# Allegro board mb1260.brd (continued)
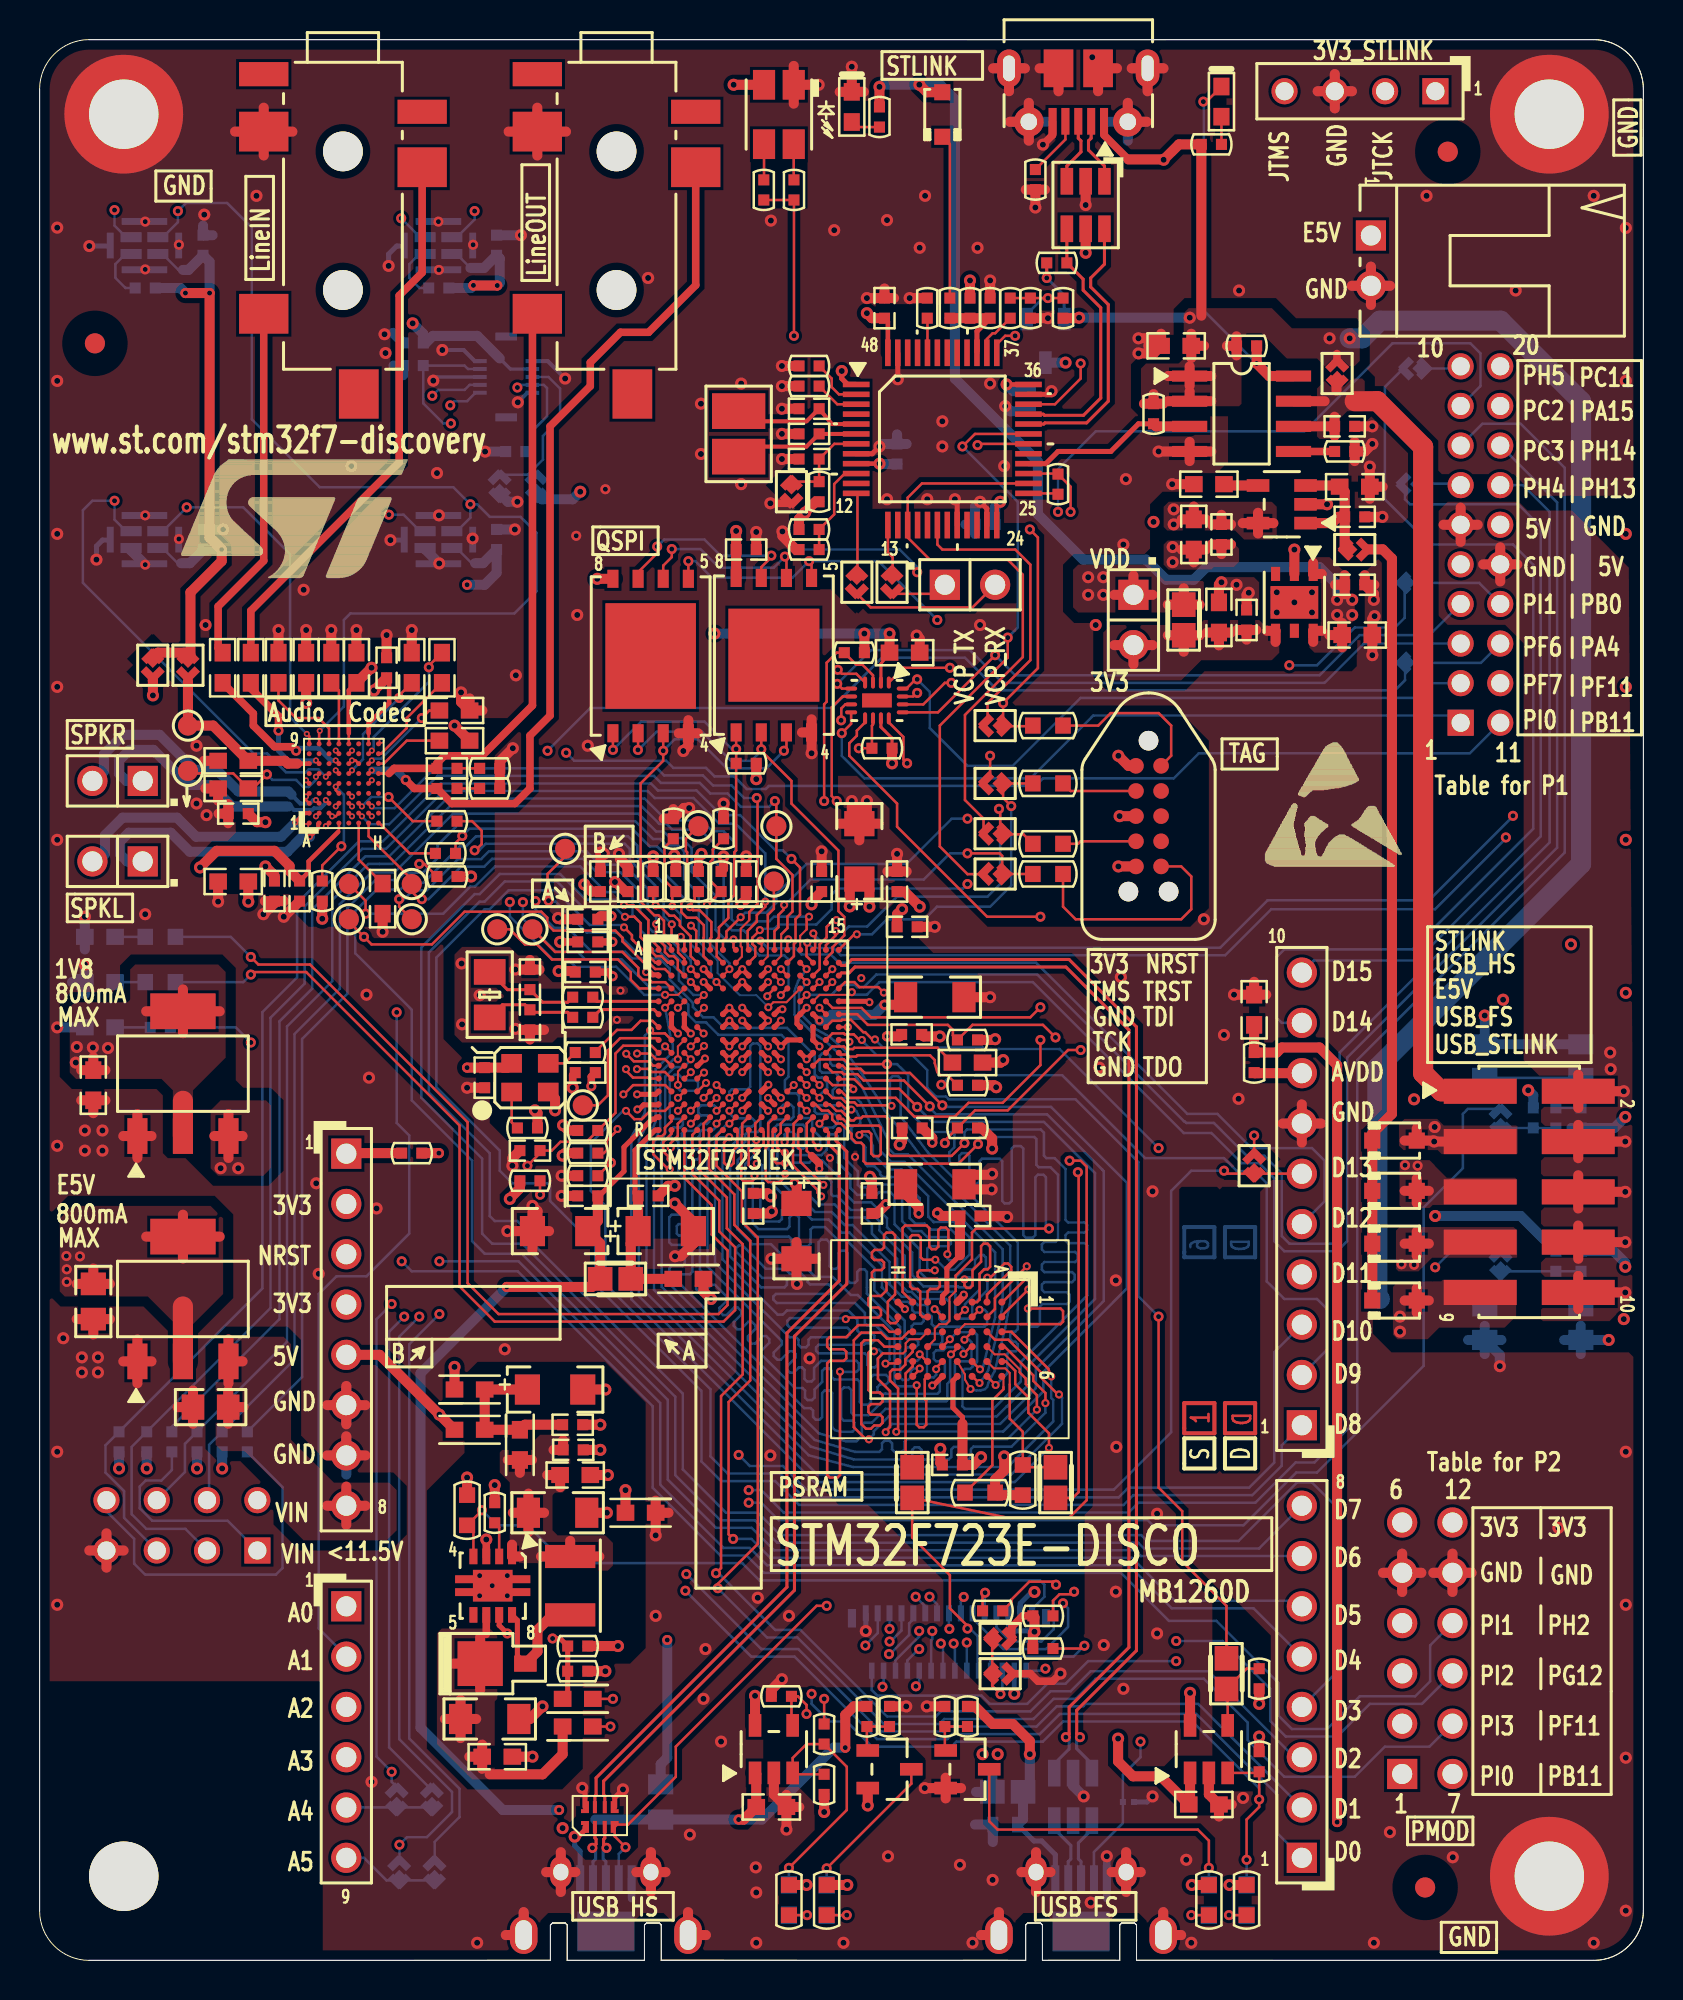
[diagram p0: board, top side]
## Routing (per net, layer and track width the routed paths; a pad name or vN(x,y) marks a point on that pad's centre or on a via; arc(x,y) is an arc through that point) (continued)
STMOD+_UART4_TXD: length 79.6
  TOP w0.127: U8.E12 v1(38.74,48.76)
  BOTTOM w0.127: v1(38.74,48.76) 40,48.76 40.5,49.26 41.17,49.26 41.29,49.15 41.63,49.15 42.26,49.78 50.39,49.78 57.8,42.37 57.84,42.37 57.91,42.29 59.31,42.29 60.96,40.64 61.85,40.64 62.74,39.75 62.74,36.58 63.12,36.2 65.28,36.2 65.66,36.58 65.66,45.85 76.26,56.45 76.26,73.15 74.91,74.5 P1.17
SYS_B_USER: length 76.7
  TOP w0.127: U8.N3 v1(32.24,42.91)
  L4_SIG w0.102: v1(32.24,42.91) 32.6,43.26 33.19,43.26 33.32,43.12 33.32,41.38 34.44,40.26 34.44,35.76 35.81,34.39 35.81,25.15 35.31,24.64 35.31,23.62 v2(35.81,23.11)
  BOTTOM w0.127: SB33.1 72.14,43 71.88,42.75 71.88,40.01 69.9,38.02 69.9,30.02 64.52,24.64 63.47,24.64 60.8,21.97 56.22,21.97 55.96,22.24 37.33,22.24 36.45,23.11 v2(35.81,23.11)
SYS_LD_USER1: length 50.5
  TOP w0.127: v2(10.67,50.67) 11.05,50.29 13.66,50.29 21.62,42.33 21.62,34.2 23.18,32.64 34.29,32.64 34.75,33.1 34.75,35.85 33.95,36.65 33.95,38.14 32.56,39.52 U8.R3
  BOTTOM w0.127: R47.1 9.65,51.69 v2(10.67,50.67)
SYS_LD_USER2: length 50.9
  TOP w0.127: U8.R4 32.97,41.69 32.97,39.73 34.33,38.37 34.33,36.81 35.13,36.01 35.13,32.84 34.54,32.26 22.99,32.26 21.21,34.04 21.21,42.16 13.46,49.91 10.79,49.91 v2(10.67,49.78)
  BOTTOM w0.127: R48.1 10.29,49.4 v2(10.67,49.78)
SYS_STLINK_JTCK: length 17.3
  TOP w0.127: U8.A14 39.71,51.27 40.22,51.78 v1(40.22,51.98) ; R38.2 49.69,56.87 SB12.2 48.53,57 48.53,57.36 48.51,57.38 48.51,58.09 v2(48.45,58.15)
  BOTTOM w0.127: v1(40.22,51.98) 40.64,51.98 40.87,52.21 41.8,52.21 43.31,53.72 47.88,53.72 48.51,54.36 48.51,58.09 v2(48.45,58.15)
SYS_STLINK_JTDO-SWO: length 17.1
  TOP w0.127: U8.A10 37.11,51.97 37.31,52.17 37.31,52.79 37.57,53.05 37.57,53.27 v1(37.6,53.3) ; v2(46.86,55.91) 48.49,55.91 48.62,55.78 48.62,54.88 SB13.2 48.69,54.86 R40.2
  BOTTOM w0.127: v1(37.6,53.3) 37.66,53.3 38.94,54.58 44.65,54.58 45.97,55.91 v2(46.86,55.91)
SYS_STLINK_JTMS: length 16.9
  TOP w0.127: v2(49.07,58.29) 48.66,58.7 SB11.2 48.69,59.44 R32.2 ; v1(41.27,51.82) 41.15,51.82 U8.A15
  BOTTOM w0.127: v1(41.27,51.82) 42.04,51.82 42.8,52.58 44.69,52.58 45.33,53.21 48.01,53.21 49.07,54.28 v2(49.07,58.29)
T_JTCK: length 29.7
  TOP w0.127: SB12.1 47.68,57.66 46.74,58.6 46.74,62.9 49.66,65.82 49.66,69.98 48.9,70.74 44.96,70.74 43.84,71.85 U2.15 43.84,73.87 44.56,74.59 U2.26
T_JTMS: length 19.2
  TOP w0.127: SB11.1 47.68,59.61 48.01,59.94 v2(48.01,60.83) ; U2.27 51.41,75.08 R23.1 52.07,74.42 v2(52.07,73.15)
  L4_SIG w0.102: v2(48.01,60.83) 48.01,64.77 50.8,67.56 50.8,70.87 52.07,72.14 v2(52.07,73.15)
T_NRST: length 15.2
  TOP w0.127: U2.18 45.34,71.5 45.6,71.25 49.28,71.25 50.04,70.48 50.04,65.66 47.88,63.5 47.88,62.56 47.81,62.49 47.81,62.48 SB10.1
T_SWDIO_IN: length 1.5
  TOP w0.127: 51.44,74.04 51.39,74.08 U2.25
T_SWO: length 29.4
  TOP w0.127: v2(48.9,66.8) 48.9,65.79 45.47,62.36 45.47,56.25 46.86,54.86 SB13.1 ; v2(46.61,76.45) 47.24,77.08 U2.31
  BOTTOM w0.127: v2(48.9,66.8) 49.4,67.31 49.4,73.66 v2(46.61,76.45)
TAG_NRST: length 8.2
  TOP w0.127: CN9.10 57.15,60.83 57.15,62.36 56.52,62.99 54.1,62.99 53.47,62.36 R28.1
TAG_SWCLK: length 3.7
  TOP w0.127: R38.1 52.45,56.39 52.58,56.52 55.37,56.52
TAG_SWDIO: length 3.8
  TOP w0.127: R32.1 52.07,59.05 CN9.2
TAG_SWO: length 12
  TOP w0.127: R40.1 51.69,53.21 52.32,52.58 57.66,52.58 58.17,53.09 58.17,54.74 57.66,55.24 CN9.6
USB_OTGFS_CN_N: length 3.3
  BOTTOM w0.155: U22.6 51.25,6.64 52.08,5.8 52.08,5.12 51.95,4.99 CN18.2
USB_OTGFS_CN_P: length 3.3
  BOTTOM w0.155: CN18.3 52.6,4.99 52.47,5.12 52.47,5.93 53.15,6.61 U22.4
USB_OTGFS_ID: length 57.3
  TOP w0.127: U8.D15 40.68,49.4 41.15,49.4 41.4,49.15 42.36,49.15 v1(42.64,48.87)
  L4_SIG w0.102: v1(42.64,48.87) 42.77,48.74 46.96,48.74 48.77,46.94 48.77,46.15 54.74,40.18 54.74,38.48 55.88,37.34 55.88,27.64 56.26,27.26 56.26,23.65 56.92,22.99 56.92,12.37 v2(55.6,11.05)
  BOTTOM w0.127: CN18.4 53.25,5.47 54.71,6.93 U23.1 54.71,9.37 55.6,10.26 v2(55.6,11.05)
USB_OTGFS_N: length 55.4
  TOP w0.155: v2(51.83,11.27) 52,11.44 52,12.79 55.02,15.8 55.02,46.98 51.84,50.16 41.18,50.16 40.88,49.87 40.5,49.87 U8.C15
  BOTTOM w0.155: v2(51.83,11.27) 52,11.11 52,10.67 51.25,9.92 U22.1
USB_OTGFS_OVCR: length 64.1
  TOP w0.127: U14.3 61.54,9.47 R79.1 v2(61.59,8.13) 61.59,7.75 60.96,7.11 v2(60.96,5.08) ; v1(39.59,39.16) 38.43,40.32 38.43,40.92 38.31,41.05 38.31,41.83 U8.R12
  L4_SIG w0.102: v1(39.59,39.16) 39.64,39.16 39.98,38.82 39.98,18.58 40.44,18.12 40.44,14.91 v2(38.99,13.46)
  BOTTOM w0.127: v2(61.59,8.13) 61.59,8.69 58.22,12.07 51.69,12.07 50.67,11.05 46.3,11.05 46.05,10.8 42.04,10.8 40.77,12.07 39.88,12.07 38.99,12.95 v2(38.99,13.46) ; LD10.2 v2(60.96,5.08)
USB_OTGFS_P: length 56
  TOP w0.155: v2(52.54,11.27) 52.38,11.44 52.38,12.63 55.4,15.65 55.4,47.14 51.99,50.55 41.02,50.55 40.72,50.25 40.5,50.25 U8.B15
  BOTTOM w0.155: v2(52.54,11.27) 52.38,11.11 52.38,10.69 53.15,9.92 U22.3
USB_OTGFS_PPWR_EN: length 46
  TOP w0.127: v2(56.52,32.51) 56.52,23.88 57.71,22.68 57.71,20.14 59.94,17.91 R72.1 ; U8.H14 40.04,46.81 40.62,46.81 40.67,46.76 41.12,46.76 41.4,46.48 v1(41.53,46.48)
  BOTTOM w0.127: v2(56.52,32.51) 55.5,33.53 55.5,40.31 52.32,43.48 45.92,43.48 45.78,43.62 45.28,43.62 44.83,44.07 44.83,44.96 44.07,45.72 42.27,45.72 41.66,46.33 41.66,46.35 v1(41.53,46.48)
USB_OTGFS_VBUS: length 73.5
  TOP w0.254: v1(41.91,48.39) 41.87,48.43 U8.E15
  TOP w0.508: R77.2 47.24,12.83 48.13,11.94 49.15,11.94 50.01,11.07 v4(50.01,10.41) ; U14.1 58.11,7.94 C77.1 56.62,9.3 55.22,9.3 54.47,10.05 v4(54.47,11.2)
  L4_SIG w0.508: v4(50.01,10.41) 50.01,10.97 51.31,12.27 52.78,12.27 53.85,11.2 v4(54.47,11.2) 54.69,11.2 55.75,12.27 55.75,27.05 55.37,27.43 55.37,37.08 54.18,38.28 54.18,39.83 49.23,44.78 48.14,44.78 47.19,45.73 47.19,46.58 46.41,47.37 42.29,47.37 41.91,47.75 v1(41.91,48.39)
  BOTTOM w0.254: CN18.1 51.3,5.34 50.61,6.03 50.22,6.03 U24.1
  BOTTOM w0.508: U24.1 49.67,7.13 R99.1 50.01,8.85 v4(50.01,10.41)
USB_OTGHS_CN_N: length 2.8
  TOP w0.155: U15.2 28.05,6.18 28.11,6.12 28.11,5.87 v2(27.92,5.68)
  BOTTOM w0.155: CN19.2 27.95,4.99 28.08,5.12 28.08,5.52 v2(27.92,5.68)
USB_OTGHS_CN_P: length 2.8
  TOP w0.155: U15.3 28.55,6.18 28.49,6.12 28.49,5.83 v2(28.63,5.68)
  BOTTOM w0.155: v2(28.63,5.68) 28.47,5.52 28.47,5.12 28.6,4.99 CN19.3
USB_OTGHS_ID: length 44.7
  TOP w0.127: v2(39.75,17.91) 39.24,17.91 32.13,10.8 32.13,9.27 29.72,6.86 29.16,6.86 U15.4 29.05,6.26 v2(29.59,5.72) ; v1(39.47,38.58) 39.29,38.77 39.29,38.9 38.05,40.14 38.05,41.24 38.08,41.27 38.08,42.25 U8.P12
  L4_SIG w0.102: v1(39.47,38.58) 39.62,38.43 39.62,18.03 v2(39.75,17.91)
  BOTTOM w0.127: v2(29.59,5.72) 29.25,5.37 CN19.4
USB_OTGHS_N: length 39.6
  TOP w0.155: U15.7 28.05,8.3 28.11,8.36 28.11,9.21 37.74,18.85 37.74,31.68 40.39,34.32 40.39,40.69 39.85,41.22 39.85,41.8 U8.R14
USB_OTGHS_OVCR: length 54.5
  TOP w0.127: U8.L13 v1(39.39,44.21) ; v2(39.62,13.21) R78.2
  L4_SIG w0.102: v1(39.39,44.21) 39.75,43.84 39.75,43.43 39.88,43.31 40.04,43.31 40.59,42.75 40.7,42.75 40.85,42.61 41.14,42.61 41.29,42.75 42.1,42.75 42.82,42.04 45.72,42.04 45.97,41.78 48.34,41.78 52.96,37.16 52.96,33.02 53.52,32.46 53.52,18.63 53.52,18.21 51.94,16.64 51.18,16.64 49.78,15.24 48.64,15.24 45.67,12.27 40.56,12.27 v2(39.62,13.21)
USB_OTGHS_P: length 39.6
  TOP w0.155: U8.R15 40.23,41.8 40.23,41.38 40.77,40.84 40.77,34.16 38.13,31.52 38.13,18.69 28.49,9.06 28.49,8.36 28.55,8.3 U15.6
USB_OTGHS_PPWR_EN: length 60.7
  TOP w0.127: U13.4 37.97,11.93 37.97,13.34 38.3,13.34 38.73,12.9 v2(38.73,12.45) ; U8.K12 v1(38.74,44.86)
  L4_SIG w0.102: v1(38.74,44.86) 39.55,44.86 40.01,44.4 41.33,44.4 42.05,43.68 45.86,43.68 46.99,42.55 48.59,42.55 53.72,37.41 53.72,33.4 54.36,32.77 54.36,26.97 54.91,26.42 54.91,17.65 54.58,17.32 53.52,17.32 52.22,16.03 51.46,16.03 49.91,14.48 48.9,14.48 46.02,11.61 39.57,11.61 v2(38.73,12.45)
USB_OTGHS_VBUS: length 39.1
  TOP w0.127: U8.P13 38.75,42.26 38.75,40.88 38.99,40.64
  TOP w0.381: 38.99,40.64 39.38,40.25 v1(39.38,39.98)
  L4_SIG w0.508: v2(31.7,16.18) 33.1,16.18 38.53,21.62 38.53,27.23 37.47,28.3 37.47,34.49 37.91,34.94 37.91,37.91 38.89,38.89 38.89,39.49 v1(39.38,39.98)
  BOTTOM w0.508: v2(31.7,16.18) 31.7,10.24 31.37,9.91 R98.1
USB_RENUMN: length 2.3
  TOP w0.127: U2.38 47.84,81.88 48.13,82.17 48.26,82.17 R7.2
USB_STLK_CN_N: length 3.4
  TOP w0.155: U21.1 53.78,90.62 52.98,91.42 52.98,91.89 53.11,92.02 CN1.2
USB_STLK_CN_P: length 3.4
  TOP w0.155: U21.3 51.88,90.62 52.59,91.33 52.59,91.89 52.46,92.02 CN1.3
USB_STLK_ID: length 3.1
  TOP w0.127: R9.2 51.81,91.96 CN1.4
USB_STLK_N: length 13.9
  TOP w0.155: U21.6 53.78,85.66 53.09,84.96 53.09,84.51 53.98,83.62 53.98,78.74 52.88,77.64 50.77,77.64 50.72,77.59 U2.32
USB_STLK_P: length 13.3
  TOP w0.155: U2.33 50.69,78.08 50.75,78.03 52.72,78.03 53.59,78.9 53.59,83.46 52.7,84.35 52.7,84.9 R10.2 U21.4
VCAP1: length 12.2
  TOP w0.254: U8.M10 v1(37.44,43.56)
  TOP w0.508: C58.2 43.74,38.7 44.4,38.04 v2(44.4,37.72)
  L4_SIG w0.381: v1(37.44,43.56) 37.72,43.56 38.25,43.03 38.25,42.7 38.89,42.05 38.89,42.05 39.2,41.74 40.6,41.74 41.19,41.16 41.62,41.16 42.3,40.48 42.3,40.45
  L4_SIG w0.457: v2(44.4,37.72) 44.4,38.35 42.3,40.45
VCAP2: length 5.3
  TOP w0.254: v1(39.39,47.46) 39.07,47.78 U8.F13
  TOP w0.508: v2(42.67,48.26) 43.36,48.26 C49.2
  BOTTOM w0.508: v2(42.67,48.26) 42.16,47.75 40.01,47.75 39.71,47.46 v1(39.39,47.46)
VCP_RX: length 35.4
  TOP w0.127: SB8.1 41.97,68.33 47.12,68.33 CN6.2 ; v1(40.82,47.13) U8.G15
  L4_SIG w0.102: CN6.2 48.26,67.31 47.57,66.62 47.57,59.13 46.35,57.91 46.35,50.55 45.47,49.66 42.48,49.66 40.82,48 v1(40.82,47.13)
VCP_TX: length 32.5
  TOP w0.127: v1(40.9,46.39) 40.81,46.48 U8.H15 ; CN6.1 45.26,69.01 SB9.1
  L4_SIG w0.102: CN6.1 46.48,68.71 46.48,67.06 47.24,66.29 47.24,59.44 46.05,58.24 46.05,50.8 45.34,50.09 41.25,50.09 41.08,49.92 41.08,49.51 40.47,48.9 40.47,46.83 v1(40.9,46.39)
VL: length 12.3
  TOP w0.508: C73.2 25.48,22.61 ; C73.2 24.69,21.64 ; C73.2 24.69,23.57 ; C73.2 23.9,22.61 ; 25.96,25.78 C70.2 26.44,26.26 ; 23.86,21 U12.1 24.27,20.4 ; L6.1 26.8,21.18 ; L6.1 28.27,20.4 ; L6.1 25.32,20.4 ; 23.65,25.27 L4.2 ; L4.2 24.26,24.62 ; L4.2 24.87,25.27 ; 26.29,23.9 C72.2 25.64,24.51
VREF+: length 134.1
  TOP w0.254: U8.P1 31.15,42.58 31.05,42.48 30.92,42.48 29.51,41.07 29.51,39.85 28.27,38.61 C59.2
  TOP w0.508: v2(65.53,6.99) 65.53,45.21 64.64,46.1 62.74,46.1 62.48,45.85 R53.2 C50.2 ; v2(23.6,34.01) 27.9,34.01 R62.1 28.31,36.21 C64.1 28.19,37.34 C59.2
  L4_SIG w0.508: v2(65.53,6.99) 65.02,6.48 62.87,6.48 61.85,7.49 47.58,7.49 47.53,7.54 46.96,7.54 46.95,7.53 45.06,9.42 27.08,9.42 26.24,8.59 v2(26.24,7.59)
  BOTTOM w0.508: v2(26.24,7.59) 23.39,7.59 19.24,11.75 19.24,29.65 v2(23.6,34.01)
WIFI_CH_PD: length 67
  TOP w0.127: U8.D11 37.75,49.08 37.44,48.77 v1(37.44,48.74)
  BOTTOM w0.127: CN14.6 7.34,24.66 7.34,26.09 R95.2 12.49,31.24 12.49,47.17 14.78,49.45 14.78,53.55 16.61,55.37 17.18,55.37 17.81,55.37 20.73,58.29 30.4,58.29 31.3,57.39 31.67,57.39 31.96,57.1 33.36,57.1 34.05,56.41 34.05,55.55 34.54,55.05 34.54,52.45 34.97,52.02 35.56,52.02 35.76,51.82 35.76,51.33 36.35,50.75 37.62,50.75 37.82,50.55 37.82,49.15 37.44,48.76 v1(37.44,48.74)
WIFI_GPIO_0: length 71.1
  TOP w0.127: v1(36.65,53.47) 36.65,53.21 36.22,52.78 36.22,52.45 35.76,51.99 35.76,51.08 U8.A8
  BOTTOM w0.127: v1(36.65,53.47) 36.65,55.91 35.15,57.4 34.32,57.4 33.03,58.7 31.07,58.7 30.71,59.05 20.41,59.05 17.49,56.13 16.29,56.13 13.39,53.23 13.39,49.33 11.66,47.6 11.66,32.94 R93.2 4.65,25.93 4.65,22.53 5.38,21.79 7.37,21.79 CN14.3
WIFI_GPIO_2: length 72.5
  TOP w0.127: U8.B11 38.1,50.71 38.1,51.33 38.18,51.41 38.18,52.58 38.4,52.81 38.4,55.19 v2(37.97,55.63)
  BOTTOM w0.127: v2(37.97,55.63) 37.54,56.06 37.16,56.06 35.38,57.84 34.43,57.84 33.18,59.08 31.22,59.08 30.87,59.44 20.25,59.44 17.33,56.52 16.13,56.52 13,53.39 13,49.64 11.25,47.89 11.25,33.93 R96.2 3.33,26.01 3.33,24.64 4.27,23.7 4.27,22.35 CN14.5
WIFI_RST: length 59.6
  TOP w0.127: v1(35.04,51.56) 35.04,51.15 U8.A7
  BOTTOM w0.127: v1(35.04,51.56) 34.62,51.56 34.14,52.04 34.14,53.77 32.93,54.98 32.93,56.17 32.42,56.68 31.84,56.68 31.51,57.01 31.14,57.01 30.24,57.91 20.89,57.91 17.92,54.94 16.76,54.94 15.16,53.34 15.16,49.07 12.88,46.78 12.88,30.35 R94.2 8.56,26.04 8.56,23.34 CN14.4
WIFI_RX: length 63.9
  TOP w0.102: 38.74,52.07 38.41,51.74 U8.A12
  TOP w0.127: v1(38.86,52.7) 38.74,52.58 38.74,52.07
  BOTTOM w0.127: v1(38.86,52.7) 37.08,52.7 36.86,52.48 36.17,52.48 35.99,52.3 35.23,52.3 34.95,52.58 34.95,53.64 35.13,53.82 35.13,56.44 34.54,57.02 33.98,57.02 33.44,57.56 32.03,57.56 31.83,57.77 31.45,57.77 30.55,58.67 20.57,58.67 17.65,55.75 16.45,55.75 13.77,53.07 13.77,49.07 12.11,47.42 12.11,32.38 6.68,26.95 R92.1
WIFI_TX: length 60.5
  TOP w0.102: U8.D12 37.72,48.39 37.06,48.39 v1(36.8,48.13)
  BOTTOM w0.102: v1(36.8,48.13) 36.8,48.14 36.2,48.74 35.36,48.74 34.24,49.87 34.24,50.5 33.29,51.44 33.29,51.82
  BOTTOM w0.127: R97.2 13.26,29.46 13.26,46.53 15.54,48.82 15.54,53.14 16.97,54.56 18.07,54.56 18.44,54.93 19.36,54.93 20.1,55.67 20.1,56.32 21.31,57.53 30.08,57.53 30.98,56.63 31.35,56.63 31.68,56.3 32.26,56.3 32.55,56.01 32.55,54.6 33.29,53.85 33.29,51.82

## Copper pours and planes (outline as drawn; the poured copper is in the pictures)
1V8 on TOP: 1.84,44.51 1.52,44.83 1.52,48.13 1.78,48.39 4.45,48.39 4.57,48.51 4.57,50.04 4.83,50.29 9.02,50.29 9.4,49.91 9.4,45.59 7.75,43.94 7.75,43.31 6.73,43.31 6.73,43.94 6.16,44.51
1V8 on L4_SIG: 17.65,64.39 17.91,64.14 17.91,61.34 17.53,60.96 10.92,60.96 9.78,59.82 9.78,49.66 5.59,45.47 5.59,41.66 5.21,41.27 1.91,41.27 1.52,41.66 1.52,46.41 6.48,51.36 6.48,62.48 8.38,64.39
3V3 on TOP (solid shape): 5.72,65.02 6.05,65.35 6.32,65.08 5.78,64.54 5.71,64.61 5.64,64.54 5.1,65.08 5.38,65.36
3V3 on BOTTOM (solid shape): 25.34,74.33 25.4,74.39 25.67,74.12 25.13,73.58 25.09,73.62 25.05,73.58 24.51,74.12 24.78,74.39 24.84,74.33 25.09,74.58
3V3 on TOP: 58.67,65.66 62.23,65.66 62.61,66.04 62.61,67.31 62.48,67.44 61.85,67.44 61.59,67.69 58.8,67.69 58.55,67.44 54.1,67.44 53.72,67.06 53.72,65.02 54.1,64.64 57.66,64.64
3V3 on TOP: 9.14,43.43 11.43,43.43 11.68,43.18 11.68,40.01 11.3,39.62 9.02,39.62 8.64,40.01 8.64,42.93
3V3 on L3_VCC: 2.51,0.51 1.1,1.1 0.51,2.51 0.51,94.49 1.1,95.9 2.51,96.49 32.26,96.49 32.26,73.55 33.04,72.77 37.61,72.77 38.48,71.9 38.48,56.75 37.11,55.37 27.2,55.37 26.67,54.84 26.67,43.07 27.18,42.57 27.18,37.61 27.83,36.96 31.26,36.96 31.5,36.72 31.5,33.04 32.15,32.39 39.09,32.39 39.88,33.17 39.88,36.98 39.98,37.08 43.79,37.08 44.83,38.12 44.83,45.87 50.8,51.84 50.8,63.65 54.33,67.18 57.13,67.18 57.91,67.97 57.91,71.63 62.87,71.63 62.87,52.09 63.52,51.44 72.79,51.44 74.04,50.19 74.04,22.1 73.15,21.21 68.07,21.21 67.44,21.84 67.44,25.27 66.93,25.78 51.58,25.78 49.3,23.5 25.89,23.5 17.38,32 13.23,32 12.19,30.97 12.19,24.02 18.44,17.78 27.2,17.78 32.53,12.45 38.84,12.45 39.88,13.48 39.88,18.44 40.87,19.43 53.74,19.43 54.86,18.31 54.86,12.85 55.65,12.07 59.03,12.07 60.94,13.97 61.98,13.97 65.66,10.29 80.49,10.29 80.49,2.51 79.91,1.1 78.49,0.51 55.91,0.51 55.91,2 55.51,2.39 54.44,2.39 54.04,2 54.04,0.51 51.16,0.51 51.16,2 50.76,2.39 49.69,2.39 49.29,2 49.29,0.51 31.91,0.51 31.91,2 31.51,2.39 30.44,2.39 30.04,2 30.04,0.51 27.16,0.51 27.16,2 26.76,2.39 25.69,2.39 25.29,2 25.29,0.51
3V3_ST_LINK on TOP: 57.02,73.66 62.23,73.66 62.48,73.41 62.48,72.01 62.23,71.75 60.83,71.75 60.38,72.21 56.95,72.21 56.77,72.39 56.77,73.41
3V3_ST_LINK on L3_VCC: 38.97,72.14 37.82,73.28 33.25,73.28 32.77,73.77 32.77,96.49 78.49,96.49 79.91,95.9 80.49,94.49 80.49,74.17 70.51,74.17 68.47,72.14
5V on TOP: 64.14,67.18 64.39,67.44 64.39,69.22 64.14,69.47 64.14,70.74 64.26,70.87 65.15,70.87 65.79,70.23 66.17,70.23 66.29,70.1 66.29,69.09 66.42,68.96 66.42,67.69 66.04,67.31 66.04,66.17 65.91,66.04 64.39,66.04 64.14,66.29
5V on TOP: 80.44,45.91 80.44,33.33 79.76,32.64 79.65,32.64 79.29,32.28 75.93,32.28 75.83,32.38 75.83,32.86 76.09,33.12 76.09,34.46 76.08,34.46 75.83,34.71 75.83,35.25 76.1,35.52 76.1,36.94 76.09,36.94 75.83,37.2 75.83,37.86 76.1,38.13 76.1,39.49 76.07,39.49 75.83,39.72 75.83,40.39 76.15,40.71 76.15,42.01 76.15,42.01 75.83,42.33 75.83,42.95 76.18,43.29 76.18,44.05 76.17,44.06 76.17,44.24 74.95,45.46 74.95,66.51 74.01,67.44 71.12,67.44 70.66,67.9 70.66,73.21 71.11,73.66 74.71,73.66 75.14,73.22 77.38,73.22 80.26,70.34
5V on L3_VCC: 55.86,12.57 55.37,13.06 55.37,18.52 53.95,19.94 40.66,19.94 39.37,18.65 39.37,13.69 38.63,12.95 32.74,12.95 27.41,18.29 18.65,18.29 12.7,24.24 12.7,30.76 13.44,31.5 17.17,31.5 25.68,22.99 49.51,22.99 51.79,25.27 66.55,25.27 66.8,25.02 66.8,21.46 67.69,20.57 73.41,20.57 74.55,21.72 74.55,50.4 73,51.94 63.73,51.94 63.37,52.3 63.37,71.63 68.69,71.63 70.72,73.66 80.49,73.66 80.49,11.02 80.39,10.92 65.91,10.92 62.36,14.48 60.73,14.48 58.82,12.57
5V on L4_SIG: 65.43,70.48 68.2,70.48 71.37,73.66 74.42,73.66 75.18,72.9 75.18,69.98 74.68,69.47 71.12,69.47 70.48,68.83 70.48,66.55 69.09,65.15 66.55,65.15 65,66.7 65,70.05
5V_ST_LINK on TOP (solid shape): 65.78,80.02 65.84,80.08 66.11,79.81 65.58,79.28 65.53,79.32 65.49,79.28 64.95,79.81 65.22,80.08 65.28,80.02 65.53,80.27
5V_ST_LINK on TOP: 65.02,79.88 66.8,79.88 66.93,79.76 66.93,78.36 66.8,78.23 66.04,78.23 65.66,77.85 65.66,76.96 65.53,76.83 64.64,76.83 64.52,76.96 64.52,79.38
5V_USB_FS on TOP: 68.68,37.03 74.45,37.03 74.63,36.86 74.63,35.51 74.6,35.48 70.33,35.48 69.65,34.8 68.63,34.8 68.5,34.92 68.5,36.86
5V_USB_FS on BOTTOM: 48.88,8.01 48.74,7.87 46.99,7.87 46.86,8 46.86,10.41 47.17,10.72 48.92,10.72 49.12,10.52 49.12,10.03 48.88,9.79
5V_USB_FS on L4_SIG: 68.38,35.53 69.82,35.53 70,35.36 70,33.87 69.88,33.75 68.34,33.75 68.22,33.87 68.22,35.38
5V_USB_FS on L4_SIG: 49.07,10.87 49.3,10.64 49.3,9.04 49.02,8.76 47.5,8.76 47.12,9.14 47.12,10.67 47.32,10.87
5V_USB_HS on TOP: 68.66,41.15 68.66,42.21 68.94,42.49 70.59,42.49 70.92,42.16 74.57,42.16 74.65,42.09 74.65,40.77 74.6,40.72 70.82,40.72 70.61,40.92 68.88,40.92
5V_USB_HS on BOTTOM: 26.63,7.35 26.11,6.83 26.11,6.12 26.24,5.99 27.33,5.99 27.53,6.2 28.32,6.2 28.42,6.3 28.42,7.24 28.31,7.35
5V_USB_HS on L4_SIG: 69.29,42.49 71.86,42.49 72.52,41.83 72.52,41.33 72.26,41.07 69.22,41.07 68.94,41.35 68.94,42.14
5V_USB_HS on L4_SIG: 26.66,5.85 26.54,5.97 26.24,5.97 26.09,6.12 26.09,7.04 26.21,7.16 26.52,7.16 26.92,7.57 28.37,7.57 28.5,7.44 28.5,6.22 28.4,6.12 27.74,6.12 27.47,5.85
5V_USB_ST_LINK on TOP (solid shape): 66.15,80.47 65.86,80.18 65.53,80.52 65.19,80.19 64.92,80.46 65.46,81 65.53,80.93 65.61,81.01
5V_USB_ST_LINK on TOP: 68.63,34.29 70.36,34.29 70.37,34.28 70.38,34.29 70.79,34.29 70.87,34.37 74.55,34.37 74.57,34.34 74.57,32.54 73.99,31.95 70.69,31.95 70.1,31.37 68.58,31.37 68.35,31.6 68.35,34.01
5V_USB_ST_LINK on TOP: 60.71,81.92 60.71,78.61 60.58,78.49 55.75,78.49 55.63,78.61 55.63,80.39 55.88,80.64 57.53,80.64 57.78,80.9 57.78,83.19 58.04,83.44 62.23,83.44 63.25,82.42 66.29,82.42 66.67,82.04 66.67,80.77 66.42,80.52 64.9,80.52 64.52,80.9 62.99,80.9 61.72,82.17 60.96,82.17
5V_USB_ST_LINK on BOTTOM: 64.72,82.35 66.5,82.35 66.67,82.17 66.67,80.8 66.42,80.54 64.85,80.54 64.47,80.92 64.47,82.09
5V_USB_ST_LINK on BOTTOM: 68.96,31.37 67.56,31.37 67.31,31.62 67.31,33.78 67.44,33.91 68.96,33.91 69.09,33.78 69.09,31.5
GND on TOP (solid shape): 37.98,73.78 38.31,74.11 38.58,73.85 38.04,73.31 37.97,73.38 37.9,73.3 37.36,73.84 37.64,74.12
GND on TOP (solid shape): 49.38,14.55 49.31,14.48 49.38,14.4 48.84,13.86 48.56,14.15 48.9,14.48 48.57,14.82 48.84,15.09
GND on BOTTOM (solid shape): 23.49,74.33 23.55,74.39 23.82,74.12 23.28,73.58 23.24,73.62 23.19,73.58 22.66,74.12 22.92,74.39 22.99,74.33 23.24,74.58
GND on TOP: 2.51,0.51 1.1,1.1 0.51,2.51 0.51,94.49 1.1,95.9 2.51,96.49 78.49,96.49 79.91,95.9 80.49,94.49 80.49,73.97 75.55,73.97 74.46,75.06 70.82,75.06 70.64,75.23 69.68,75.23 69.13,74.68 69.13,72.87 68.86,72.6 66.82,72.6 66.67,72.45 66.8,72.45 68.53,70.72 68.53,43.46 67.34,42.27 67.34,31.65 68.28,30.71 80.26,30.71 80.49,30.48 80.49,2.51 79.91,1.1 78.49,0.51 55.91,0.51 55.91,2 55.51,2.39 54.44,2.39 54.04,2 54.04,0.51 51.16,0.51 51.16,2 50.76,2.39 49.69,2.39 49.29,2 49.29,0.51 31.91,0.51 31.91,2 31.51,2.39 30.44,2.39 30.04,2 30.04,0.51 27.16,0.51 27.16,2 26.76,2.39 25.69,2.39 25.29,2 25.29,0.51 ; 18 cut-outs
GND on TOP: 59.56,69.85 61.34,69.85 61.59,69.6 61.59,68.2 61.34,67.94 59.31,67.94 59.18,68.07 59.18,69.47
GND on TOP: 57.02,71.75 60.33,71.75 60.58,71.5 60.58,70.61 60.33,70.36 59.31,70.36 59.18,70.23 57.02,70.23 56.77,70.48 56.77,71.5
GND on TOP: 25.91,46.35 21.34,46.35 20.95,46.74 20.95,50.8 21.34,51.18 23.75,51.18 24.18,50.75 25.12,50.75 25.45,50.42 25.45,49.86 25.91,49.4 28.5,49.4 28.7,49.2 29.59,49.2 29.72,49.07 29.72,48.9 29.59,48.77 28.68,48.77 28.37,49.07 25.27,49.07 25.17,49.17 24.31,49.17 24.18,49.05 24.18,47.5 24.38,47.29 26.37,47.29 26.54,47.12 28.32,47.12 28.96,47.75 30.1,47.75 30.1,47.5 29.84,47.24 29.08,47.24 28.45,46.61 26.16,46.61
GND on L2_GND: 2.51,0.51 1.1,1.1 0.51,2.51 0.51,94.49 1.1,95.9 2.51,96.49 78.49,96.49 79.91,95.9 80.49,94.49 80.49,2.51 79.91,1.1 78.49,0.51 55.91,0.51 55.91,2 55.51,2.39 54.44,2.39 54.04,2 54.04,0.51 51.16,0.51 51.16,2 50.76,2.39 49.69,2.39 49.29,2 49.29,0.51 31.91,0.51 31.91,2 31.51,2.39 30.44,2.39 30.04,2 30.04,0.51 27.16,0.51 27.16,2 26.76,2.39 25.69,2.39 25.29,2 25.29,0.51 ; 2 cut-outs
GND on L4_SIG: 68.05,18.75 73.1,18.75 74.35,19.99 74.35,23.5 75.84,24.99 75.84,44.81 74.47,46.18 74.47,48.74 72.85,50.37 68.91,50.37 68.38,49.83 68.38,43.46 68.83,43 72.26,43 73.38,41.88 73.38,29.26 67.56,23.44 67.56,19.23
GND on L4_SIG: 36.22,86.11 41.99,80.34 48.26,80.34 49.28,79.32 49.28,78.33 50.24,77.37 57.23,77.37 57.56,77.04 57.56,74.14 57.33,73.91 56.18,73.91 55.58,73.3 55.6,73.28 55.6,70.46 55.37,70.23 54.46,70.23 54.15,70.54 54.15,74.27 52.12,76.3 48.46,76.3 47.52,77.24 44.98,77.24 43.71,78.51 42.19,78.51 39.04,81.66 23.11,81.66 22.86,81.92 22.86,82.68 23.01,82.83 23.09,82.83 23.11,82.85 23.95,82.85 27.2,86.11
GND on L4_SIG: 54.18,59.84 60.35,59.84 61.01,59.18 61.01,43.54 60.1,42.62 55.07,42.62 53.14,44.55 53.14,58.8
GND on L4_SIG: 2.51,0.51 1.1,1.1 0.51,2.51 0.51,94.49 1.1,95.9 2.51,96.49 78.49,96.49 79.91,95.9 80.49,94.49 80.49,2.51 79.91,1.1 78.49,0.51 55.91,0.51 55.91,2 55.51,2.39 54.44,2.39 54.04,2 54.04,0.51 51.16,0.51 51.16,2 50.76,2.39 49.69,2.39 49.29,2 49.29,0.51 31.91,0.51 31.91,2 31.51,2.39 30.44,2.39 30.04,2 30.04,0.51 27.16,0.51 27.16,2 26.76,2.39 25.69,2.39 25.29,2 25.29,0.51 ; 1 cut-out
GND on L4_SIG: 27.97,80.11 37.85,80.11 38.66,79.3 38.66,72.8 36.35,70.48 33.53,70.48 28.42,65.38 27.38,65.38 26.52,66.24 26.52,78.66
GND on L4_SIG: 21.39,51.16 23.77,51.16 24.26,50.67 25.04,50.67 25.43,50.29 25.43,49.89 26.19,49.12 29.39,49.12 29.57,48.95 29.57,47.78 28.4,46.61 26.14,46.61 25.93,46.41 21.31,46.41 21.03,46.69 21.03,50.8
GND on L5_GND: 2.51,0.51 1.1,1.1 0.51,2.51 0.51,94.49 1.1,95.9 2.51,96.49 78.49,96.49 79.91,95.9 80.49,94.49 80.49,2.51 79.91,1.1 78.49,0.51 55.91,0.51 55.91,2 55.51,2.39 54.44,2.39 54.04,2 54.04,0.51 51.16,0.51 51.16,2 50.76,2.39 49.69,2.39 49.29,2 49.29,0.51 31.91,0.51 31.91,2 31.51,2.39 30.44,2.39 30.04,2 30.04,0.51 27.16,0.51 27.16,2 26.76,2.39 25.69,2.39 25.29,2 25.29,0.51
VDD on TOP (solid shape): 49.38,16.32 49.31,16.26 49.38,16.18 48.84,15.64 48.56,15.92 48.9,16.26 48.57,16.59 48.84,16.86
VDD on TOP: 56.01,70.48 56.83,69.66 58.74,69.66 58.8,69.6 58.8,68.2 58.67,68.07 52.45,68.07 52.2,68.33 52.2,70.23 52.45,70.48
VDD on L3_VCC: 32.36,32.89 32,33.25 32,36.94 31.47,37.47 28.05,37.47 27.69,37.82 27.69,42.78 27.18,43.29 27.18,54.63 27.41,54.86 37.32,54.86 38.99,56.54 38.99,71.63 57.4,71.63 57.4,68.18 56.92,67.69 54.12,67.69 50.29,63.86 50.29,52.05 44.32,46.08 44.32,38.33 43.58,37.59 39.77,37.59 39.37,37.19 39.37,33.38 38.88,32.89
VIN on TOP: 14.86,24.13 17.65,24.13 18.03,23.75 18.03,21.72 17.53,21.21 13.34,21.21 12.32,22.23 12.32,23.75 10.35,25.72 9.21,25.72 8.89,26.04 8.89,30.86 9.53,31.5 12.32,31.5 12.7,31.11 12.7,26.29
(no net) on BOTTOM: 55.91,0.51 55.91,2 55.51,2.39 54.44,2.39 54.04,2 54.04,0.51 51.16,0.51 51.16,2 50.76,2.39 49.69,2.39 49.29,2 49.29,0.51 31.91,0.51 31.91,2 31.51,2.39 30.44,2.39 30.04,2 30.04,0.51 27.16,0.51 27.16,2 26.76,2.39 25.69,2.39 25.29,2 25.29,0.51 14.3,0.51 14.3,14.09 0.54,14.09 0.51,14.13 0.51,94.49 1.1,95.9 2.51,96.49 78.49,96.49 79.91,95.9 80.49,94.49 80.49,2.51 79.91,1.1 78.49,0.51 ; 6 cut-outs
ARD_A1 on BOTTOM (solid shape): 69.29,65.84 69.23,65.78 69.48,65.53 69.23,65.28 69.29,65.22 69.02,64.95 68.48,65.49 68.52,65.53 68.48,65.58 69.02,66.11
ARD_A4 on BOTTOM (solid shape): 19.81,8.92 19.88,8.99 20.42,8.45 20.15,8.18 19.82,8.51 19.48,8.17 19.2,8.46 19.74,9
ARD_A5 on BOTTOM (solid shape): 19.94,5.23 20.01,5.3 20.55,4.76 20.28,4.49 19.95,4.83 19.61,4.49 19.33,4.77 19.87,5.31
ARD_D5 on BOTTOM (solid shape): 69.29,69.88 69.23,69.82 69.48,69.57 69.23,69.32 69.29,69.26 69.02,68.99 68.48,69.53 68.52,69.57 68.48,69.61 69.02,70.15
ARD_D13 on TOP (solid shape): 61.59,40.02 61.65,40.08 61.92,39.81 61.38,39.27 61.34,39.31 61.3,39.27 60.76,39.81 61.03,40.08 61.09,40.02 61.34,40.27
ARD_D14 on BOTTOM (solid shape): 18.03,8.92 18.1,8.99 18.64,8.45 18.37,8.18 18.04,8.51 17.7,8.17 17.42,8.46 17.96,9
ARD_D14 on BOTTOM (solid shape): 69.42,80.73 69.08,80.4 69.42,80.06 69.14,79.78 68.6,80.32 68.68,80.39 68.61,80.46 69.15,81
ARD_D15 on BOTTOM (solid shape): 18.17,5.23 18.23,5.3 18.77,4.76 18.5,4.49 18.17,4.83 17.83,4.49 17.55,4.77 18.09,5.31
ARD_D15 on BOTTOM (solid shape): 69.29,74.89 68.96,74.56 69.3,74.22 69.01,73.93 68.47,74.47 68.55,74.55 68.48,74.62 69.02,75.16
BLGND on L2_GND: 21.82,9.14 20.07,10.9 20.07,23.52 21.97,25.42 21.97,29.36 22.33,29.72 28.34,29.72 30.1,27.96 30.1,15.98 29.61,15.49 27.45,15.49 26.92,14.96 26.92,9.88 26.18,9.14
DMIC_VDD on TOP (solid shape): 6.3,65.73 6.03,65.46 5.97,65.52 5.71,65.27 5.46,65.52 5.4,65.46 5.13,65.73 5.67,66.27 5.71,66.22 5.76,66.27
DMIC_VDD on TOP (solid shape): 8.07,65.73 7.81,65.46 7.74,65.52 7.49,65.27 7.24,65.52 7.18,65.46 6.91,65.73 7.45,66.27 7.49,66.22 7.54,66.27
E5V on TOP: 68.81,40.41 70.21,40.41 70.46,40.16 70.46,40.13 71.07,39.52 74.52,39.52 74.63,39.42 74.63,38.2 74.57,38.15 70.36,38.15 70.21,38 68.81,38 68.68,38.13 68.68,40.28
E5V on TOP: 1.65,38.1 8.64,38.1 9.27,37.47 9.27,33.66 7.75,32.13 6.86,32.13 5.46,33.53 1.27,33.53 1.02,33.78 1.02,37.47
E5V on L4_SIG: 67.94,40.51 70.1,40.51 70.23,40.39 70.23,39.37 70.1,39.24 68.07,39.24 67.82,39.5 67.82,40.39
E5V on L4_SIG: 2.29,33.93 1.27,33.93 1.02,34.19 1.02,36.35 1.27,36.6 2.26,36.6 2.41,36.45 2.41,34.06
MIC_VDD1 on TOP (solid shape): 7.5,65.02 7.83,65.35 8.1,65.08 7.56,64.54 7.49,64.61 7.42,64.54 6.88,65.08 7.16,65.36
NETB2_1 on BOTTOM (solid shape): 74.04,35.06 74.1,35.13 74.37,34.86 73.83,34.32 73.79,34.36 73.74,34.32 73.21,34.86 73.47,35.13 73.54,35.06 73.79,35.32
NETC9_2 on TOP (solid shape): 66.37,71.56 66.31,71.5 66.56,71.25 66.31,71 66.37,70.93 66.1,70.67 65.56,71.2 65.6,71.25 65.56,71.29 66.1,71.83
NETC75_2 on TOP: 22.73,16.76 20.32,16.76 20.07,16.51 20.07,10.92 21.84,9.14 22.73,9.14 22.99,9.4 22.99,13.08 23.11,13.21 23.11,16.38
NETC86_2 on BOTTOM (solid shape): 74.04,42.3 74.1,42.36 74.37,42.1 73.83,41.56 73.79,41.6 73.74,41.56 73.21,42.1 73.47,42.36 73.54,42.3 73.79,42.55
NETCN15_5 on BOTTOM (solid shape): 18.29,8.01 18.35,8.07 18.62,7.81 18.08,7.27 18.03,7.31 17.99,7.27 17.45,7.81 17.72,8.07 17.78,8.01 18.03,8.26
NETCN15_5 on BOTTOM (solid shape): 20.06,8.01 20.12,8.07 20.39,7.81 19.86,7.27 19.81,7.31 19.77,7.27 19.23,7.81 19.5,8.07 19.56,8.01 19.81,8.26
NETCN15_6 on BOTTOM (solid shape): 18.42,4.33 18.48,4.39 18.75,4.12 18.21,3.58 18.17,3.62 18.12,3.58 17.58,4.12 17.85,4.39 17.91,4.33 18.17,4.58
NETCN15_6 on BOTTOM (solid shape): 20.2,4.33 20.26,4.39 20.53,4.12 19.99,3.58 19.94,3.62 19.9,3.58 19.36,4.12 19.63,4.39 19.69,4.33 19.94,4.58
NETCN16_8 on BOTTOM (solid shape): 23.24,75.23 23.31,75.3 23.84,74.76 23.57,74.49 23.24,74.83 22.91,74.49 22.62,74.77 23.16,75.31
NETCN16_8 on BOTTOM (solid shape): 25.09,75.23 25.16,75.3 25.7,74.76 25.43,74.49 25.1,74.83 24.76,74.49 24.48,74.77 25.02,75.31
NETCN17_24 on TOP (solid shape): 48.46,16.57 48.4,16.51 48.65,16.26 48.4,16 48.46,15.94 48.19,15.67 47.65,16.21 47.7,16.26 47.65,16.3 48.19,16.84
NETCN17_24 on TOP (solid shape): 48.46,14.79 48.4,14.73 48.65,14.48 48.4,14.23 48.46,14.17 48.19,13.9 47.65,14.43 47.7,14.48 47.65,14.52 48.19,15.06
NETD2_2 on TOP (solid shape): 67.28,71.32 67.21,71.25 67.29,71.17 66.75,70.63 66.47,70.92 66.81,71.25 66.47,71.58 66.74,71.85
NETR12_2 on TOP (solid shape): 61.96,40.46 61.67,40.18 61.33,40.52 61,40.19 60.73,40.45 61.27,40.99 61.34,40.92 61.42,41
NRST on TOP (solid shape): 49.12,62.4 49.08,62.36 49.12,62.31 48.58,61.78 48.31,62.04 48.37,62.11 48.12,62.36 48.37,62.61 48.31,62.67 48.58,62.94
NRST on BOTTOM (solid shape): 73.79,35.97 73.86,36.04 74.39,35.5 74.12,35.23 73.79,35.56 73.46,35.23 73.17,35.51 73.71,36.05
STLINK_RX on TOP (solid shape): 43.63,69.92 43.37,69.65 43.3,69.71 43.05,69.46 42.8,69.71 42.74,69.65 42.47,69.92 43.01,70.46 43.05,70.41 43.1,70.46
STLINK_TX on TOP (solid shape): 41.86,69.92 41.59,69.65 41.53,69.71 41.27,69.46 41.02,69.71 40.96,69.65 40.69,69.92 41.23,70.46 41.27,70.41 41.32,70.46
STM_RST on TOP (solid shape): 38.55,74.49 38.29,74.22 38.22,74.28 37.97,74.03 37.72,74.28 37.66,74.22 37.39,74.49 37.93,75.03 37.97,74.99 38.02,75.03
STMOD+_ADC_DAC on BOTTOM (solid shape): 70.21,65.61 70.13,65.53 70.2,65.46 69.66,64.92 69.4,65.19 69.73,65.53 69.39,65.86 69.67,66.15
STMOD+_I2C2_SCL on BOTTOM (solid shape): 70.2,74.59 70.16,74.55 70.2,74.51 69.66,73.97 69.4,74.24 69.46,74.3 69.21,74.55 69.46,74.8 69.4,74.86 69.66,75.13
STMOD+_I2C2_SDA on BOTTOM (solid shape): 70.33,80.43 70.29,80.39 70.33,80.35 69.79,79.81 69.52,80.08 69.58,80.14 69.33,80.39 69.58,80.64 69.52,80.7 69.79,80.97
STMOD+_TIM3_CH3 on BOTTOM (solid shape): 70.21,69.65 70.13,69.57 70.2,69.5 69.66,68.96 69.4,69.23 69.73,69.56 69.39,69.9 69.67,70.18
SYS_B_USER on BOTTOM (solid shape): 73.79,43.21 73.86,43.28 74.39,42.74 74.12,42.47 73.79,42.8 73.46,42.46 73.17,42.75 73.71,43.29
SYS_STLINK_JTCK on TOP (solid shape): 49.12,56.94 49.08,56.9 49.12,56.85 48.58,56.31 48.31,56.58 48.37,56.64 48.12,56.9 48.37,57.15 48.31,57.21 48.58,57.48
SYS_STLINK_JTDO-SWO on TOP (solid shape): 49.12,54.91 49.08,54.86 49.12,54.82 48.58,54.28 48.31,54.55 48.37,54.61 48.12,54.86 48.37,55.12 48.31,55.18 48.58,55.45
SYS_STLINK_JTMS on TOP (solid shape): 49.12,59.48 49.08,59.44 49.12,59.39 48.58,58.85 48.31,59.12 48.37,59.18 48.12,59.44 48.37,59.69 48.31,59.75 48.58,60.02
T_JTCK on TOP (solid shape): 48.21,57.23 47.88,56.89 48.21,56.56 47.94,56.29 47.4,56.83 47.47,56.9 47.39,56.97 47.93,57.51
T_JTMS on TOP (solid shape): 48.21,59.77 47.88,59.43 48.21,59.1 47.94,58.83 47.4,59.37 47.47,59.44 47.39,59.51 47.93,60.05
T_NRST on TOP (solid shape): 48.21,62.69 47.88,62.35 48.21,62.02 47.94,61.75 47.4,62.29 47.47,62.36 47.39,62.43 47.93,62.97
T_SWO on TOP (solid shape): 48.21,55.2 47.88,54.86 48.21,54.53 47.94,54.26 47.4,54.8 47.47,54.86 47.39,54.94 47.93,55.48
VCP_RX on TOP (solid shape): 41.28,69.21 41.61,69.54 41.88,69.27 41.34,68.73 41.27,68.8 41.2,68.73 40.66,69.27 40.94,69.55
VCP_TX on TOP (solid shape): 43.06,69.21 43.39,69.54 43.66,69.27 43.12,68.73 43.05,68.8 42.98,68.73 42.44,69.27 42.72,69.55
VL on TOP: 28.7,19.68 25.53,19.68 25.15,20.07 23.88,20.07 23.75,20.19 23.75,24.13 23.24,24.64 23.24,25.65 23.37,25.78 24.89,25.78 24.89,26.16 25.27,26.54 26.67,26.54 26.8,26.42 26.8,24 26.42,23.62 26.04,23.62 25.91,23.5 25.91,21.72 26.16,21.46 28.57,21.46 28.96,21.08 28.96,19.94

Small or netless copper shapes (teardrops, artwork), in the pictures only: 16 on BOTTOM

## Text on the board
BOTTOM: 6 | D
Ref Des/Silkscreen Bottom: B | D | SPKR | SPKL | GND | <- | PA6 | PA4 | PC4 | PF10 | PC0 | PC1 | 3V3 | 5V | NRST | <11.5V | VIN | USB HS | VCPTX | VCPRX | STLINK | VDD | USB FS | PH4 | PH5 | PA5 | PB4 | PB5 | PA1 | PH6 | PE4 | PE3 | PE6 | PB0 | PH3 | PE5 | PC5 | PA2 | PA3 | VREF+ | E5V | 3V3_STLINK | RESET | USER&WAKEUP | WIFI | RTS,PF8 | SCK,PI1 | PMOD#4 | RX,PF6 | MISO,PI2 | PMOD#3 | TX,PF7 | PMOD#2 | MOSI,PI3 | CTS,PF9 | NSS,PI0 | PMOD#1 | JTMS | 1 | 0 | SEL_1,PI10 | SEL_0,PH15 | UART | UART/SPI | SPI | JTCK | www.st.com/stm32f7-discovery | MB1260D | LCD | STM32F723E-DISCO
TOP: 1 | D
Ref Des/Silkscreen Top: S | D | 1V8 | 800mA | E5V | MAX | SPKR | SPKL | GND | NRST | Audio | 3V3 | 5V | VIN | A0 | A1 | A2 | A3 | A4 | A5 | <11.5V | Codec | B | A | USB HS | QSPI | STM32F723IEK | PSRAM | STLINK | USB FS | VDD | TMS | TCK | TRST | TDI | TDO | TAG | 3V3_STLINK | D15 | D14 | AVDD | D13 | D12 | D11 | D10 | D9 | D8 | D7 | D6 | D5 | D4 | D3 | D2 | D1 | D0 | 6 | 1 | PMOD | 10 | Table for P2 | Table for P1 | USB_HS | USB_FS | USB_STLINK | 12 | 7 | PI1 | PI2 | PI3 | PI0 | 11 | 20 | PH5 | PC2 | PC3 | PH4 | PF6 | PF7 | PH2 | PG12 | PF11 | PB11 | PC11 | PH14 | PH13 | PB0 | PA4 | PA15 | LineIN | LineOUT | VCP_TX | VCP_RX | JTMS | JTCK | MB1260D | www.st.com/stm32f7-discovery | STM32F723E-DISCO
User.6: 5 | D
User.7: 3 | D
User.8: D | 4
User.12: 2 | D
User.23: 1,6 | 6.1 | 8.9 | N/A | 90 OHM | 100 OHM | +/-10%
User.40: LCD
User.45: FIGURE | SIZE | 6.0 | 8.0 | 10.0 | 12.0 | 33.0 | 36.0 | 40.0 | 138.0 | 39.0 | 79.0 | 33.0x30.0 | 51.0x24.0 | 59.0x33.0 | TOLERANCE | +3.0/-3.0 | +2.0/-2.0 | +5.0/-5.0 | DRILL CHART: TOP to BOTTOM | ALL UNITS ARE IN MILS | PLATED | NON-PLATED | ROTATION | - | 90.000 | QTY | 35 | 196 | 231 | 393 | 2 | 32 | 54 | 3 | 4 | 1 | 964 | TOTAL HOLES:
